# Altium PCB core_V1.0.PcbDoc (continued)
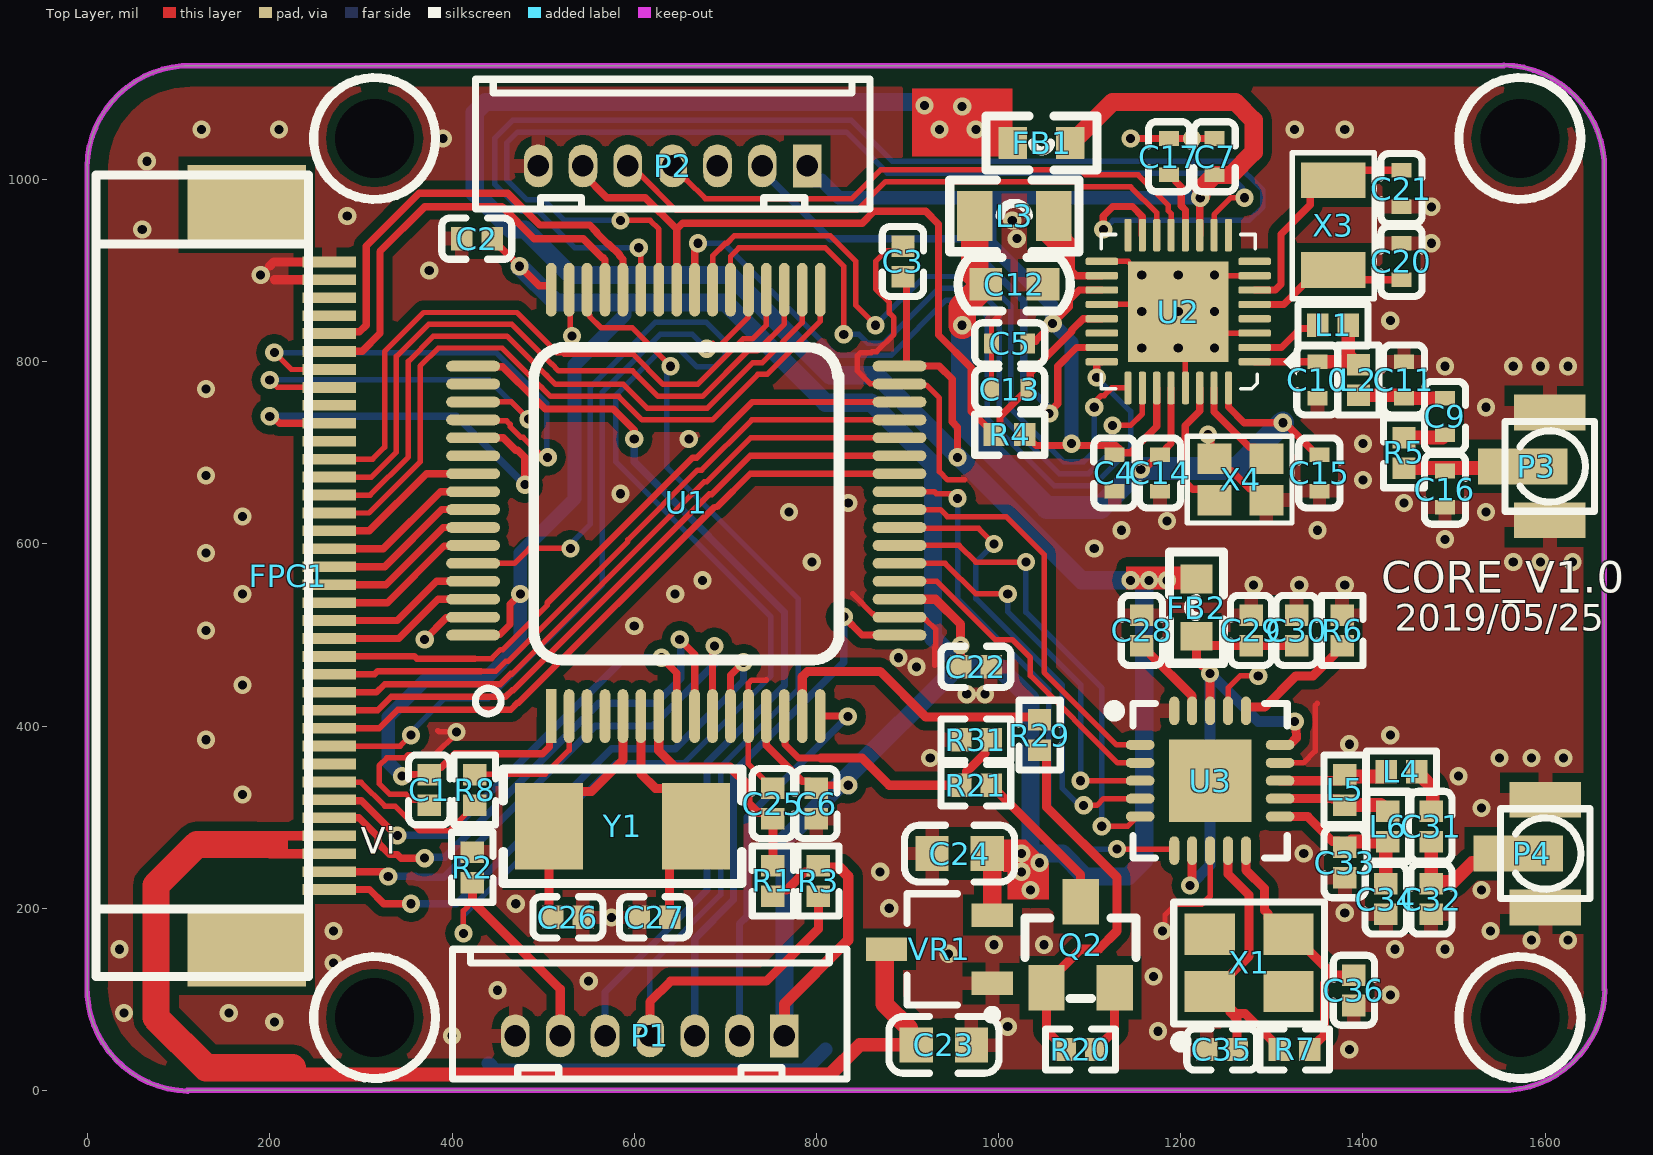
[diagram p0: Top Layer view]
## Part data (continued)
L3: library part Inductor_10uH_SL_0805, "贴片层叠电感", Manufacturer=Sunlord, Manufacturer Part Number=MPH201214S100MT, Part Number=NEW, LatestRevisionDate=09-Feb-2017, LatestRevisionNote="SCHlib build", Publisher=ChenYinaho
L4: library part "0402 3.9nH 3%", "贴片电感", Package=0402, SuppliersPartNumber=C14033, ComponentLink1Description=供应, ComponentLink1URL=http://www.szlcsc.com/product/details_14690.html, Supplier=LC
L5: library part "0402 8.2nH 5%", "贴片电感", Package=0402, SuppliersPartNumber=C16208, ComponentLink1Description=供应, ComponentLink1URL=http://www.szlcsc.com/product/details_16890.html, Supplier=LC
L6: library part "0402 2.7nH 0.3nH", "贴片电感", Package=0402, SuppliersPartNumber=C27123, ComponentLink1Description=供应, ComponentLink1URL=http://www.szlcsc.com/product/details_27872.html, Supplier=LC
P1 P2: library part CON7, "直插插座", Part Number=RP02.07.000049, LatestRevisionDate=09-Feb-2017, LatestRevisionNote="SCHlib build", Publisher=ChenYinaho
P3 P4: "贴片天线座", Part Number=RP02.07.000078, LatestRevisionDate=09-Feb-2017, LatestRevisionNote="SCHlib build", Publisher=ChenYinaho
Q2: library part P-MOS_BSS84, "P-MOSFET -50V,-0.13A,10Ω@-5V", Manufacturer=LRC(ÀÖÉ½ÎÞÏ, Part Number=NEW, LatestRevisionDate=09-Feb-2017, LatestRevisionNote="SCHlib build", Manufacturer Part Number=LBSS84LT1G, PackageDescription=SOT-23(SOT-23-3), Publisher=ChenYinaho
R1 R2 R3: library part "0402 10KΩ (1002) 1%", "贴片电阻", Package=0402, SuppliersPartNumber=C25744, ComponentLink1Description=供应, ComponentLink1URL=http://www.szlcsc.com/product/details_26487.html, Supplier=LC
R4: library part Res-0402_100k, "表贴电阻,0402,±1%,1/16W", Part Number=NEW, LatestRevisionDate=09-Feb-2017, LatestRevisionNote="SCHlib build", PackageDescription=0402R, Publisher=ChenYinaho
R5: library part Res-0402_0R, "表贴电阻,0402,±1%,1/16W", Part Number=NEW, LatestRevisionDate=09-Feb-2017, LatestRevisionNote="SCHlib build", PackageDescription=0402R, Publisher=ChenYinaho
R6: library part "0402 22KΩ (2202) 1%", "贴片电阻", Package=0402, SuppliersPartNumber=C25768, ComponentLink1Description=供应, ComponentLink1URL=http://www.szlcsc.com/product/details_26511.html, Supplier=LC
R7: library part "0402 1MΩ (1004) 1%", "贴片电阻", Package=0402, SuppliersPartNumber=C26083, ComponentLink1Description=供应, ComponentLink1URL=http://www.szlcsc.com/product/details_26826.html, Supplier=LC
R8 R29: library part Res-0402_1k, "表贴电阻,0402,±1%,1/16W", Part Number=RP02.03.000161, LatestRevisionDate=09-Feb-2017, LatestRevisionNote="SCHlib build", PackageDescription=0402R, Publisher=ChenYinaho
R20 R21: library part Res-0402_43k, "表贴电阻,0402,±1%,1/16W", Part Number=RP02.03.000166, LatestRevisionDate=09-Feb-2017, LatestRevisionNote="SCHlib build", PackageDescription=0402R, Publisher=ChenYinaho
R31: library part Res-0402_22k, "表贴电阻,0402,±1%,1/16W", Part Number=NEW, LatestRevisionDate=09-Feb-2017, LatestRevisionNote="SCHlib build", PackageDescription=0402R, Publisher=ChenYinaho
U1: library part STM32L152RCT, "MCU IC", Manufacturer=ST, Part Number=NEW, LatestRevisionDate=09-Feb-2017, LatestRevisionNote="SCHlib build", Manufacturer Part Number=STM32L152RCT6, Publisher=ChenYinaho
U2: "无线收发芯片", Manufacturer=TI, Part Number=NEW, LatestRevisionDate=09-Feb-2017, LatestRevisionNote="SCHlib build", Manufacturer Part Number=CC2640R2FRSM, PackageDescription=VQFN-32_4x4x04P, Publisher=ChenYinaho
VR1: library part "SOT-23 XC6206P332MR", "低压差线性稳压(LDO)", Package=SOT-23, SuppliersPartNumber=C5446, ComponentLink1Description=供应, ComponentLink1URL=http://www.szlcsc.com/product/details_5896.html, Supplier=LC
X1: library part "SMD-3225_4P  16MHZ 9PF 10PPM", "贴片晶振", Package=SMD-3225_4P, SuppliersPartNumber=C13738, ComponentLink1Description=供应商, ComponentLink1URL=http://www.szlcsc.com/product/details_14393.html, Supplier=LC
X3: library part XTAL-3215_2P_32k_9pF, "贴片无源晶体3215", Manufacturer=EPSON(°®ÆÕÉ, Manufacturer Part Number=FC-13532.768KHZ9PF20PPM, Part Number=NEW, LatestRevisionDate=09-Feb-2017, LatestRevisionNote="SCHlib build", Publisher=ChenYinaho
X4: library part XTAL-2016_4P_24M_8pF, "贴片无源晶体2016", Manufacturer=EPSON(°®ÆÕÉ, Manufacturer Part Number=Q22FA12800120, Part Number=NEW, LatestRevisionDate=09-Feb-2017, LatestRevisionNote="SCHlib build", Publisher=ChenYinaho
Y1: library part "SMD-5032_2P 8MHz 20ppm 20pF", "贴片晶振", Package=SMD-5032_2P, SuppliersPartNumber=C115962, ComponentLink1Description=供应, ComponentLink1URL=http://www.szlcsc.com/product/details_117214.html, Supplier=LC

## Free pads (board coordinates)
  round 0 hole 86.61 unplated: hole(315,80) hole(315,1045) hole(1572.2,80) hole(1572.2,1045)

## Via types
v1: diameter 20, hole 10, Top Layer to Bottom Layer, tented both sides, 168 vias
v2: diameter 20, hole 10, Top Layer to Bottom Layer, tented bottom, 9 vias

## Nets (pads, with @x,y where several pads share a name; then routed paths per layer and width w, separated by ;. In a path a pad name is that pad's centre, name@x,y a point inside that pad or via, vN(x,y) a via of type N, cw(c..) or ccw(c..) an arc to the next point about the centre after c; other vN are vias at no path point)
3V3: C1.1 C2.2 C3.2 C6.2 C22.1 C24.2 FB1.2 FB2.2 P1.1 R1.2 R3.1 U1.1 U1.13 U1.19 U1.32 U1.48 U1.64 VR1.2 | length 5468.7
  Top Layer w8: v1(345,345) 346.73,346.73 C1.1 382.81,354.54 388.2,354.54 403.2,369.54 499.27,369.54 506.95,377.23 506.95,409.05 U1.1 ; U1.64 423.89,500.59 452.74,500.59 463.69,511.54 463.69,533.69 v1(475,545) ; C2.2 443.94,934.02 451.75,926.2 452.73,926.2 495.64,883.3 507.09,883.3 508.85,881.54 U1.48 ; U1.13 745.07,379.02 784.56,339.54 792.19,339.54 C6.2 801.73,330 806.73,335 v1(835,335) ; U1.32 U1.32@897.24,795.14 ; C3.2 899,889.27 899,796.9 U1.32@897.24,795.14 ; v1(955,695) 955,728.12 949,734.12 949,781 934.86,795.14 U1.32@897.24,795.14
  Top Layer w10: R1.2 759.02,220.08 767.44,220.08 787.28,239.92 795.39,239.92 R3.1 ; U1.19 930.77,539.23 958.27,511.73 v1(958.27,488.37) C22.1
  Top Layer w12: P1.1 764.84,94.84 835,165 835,235 825.77,244.23 804.7,244.23 R3.1
  Top Layer w20: C24.2 993.07,254.45 VR1.2
  Bottom Layer w15: v1(345,345) 330,360 330,410 370,450 435,450 475,490 v1(475,545) 475,590 534.5,649.5 534.5,796.37 589.47,851.34 589.47,865
  Bottom Layer w20: v1(474.18,904.75) 513.94,865 589.47,865 700,865 810,755 860,755 928,687 928,497 957.5,467.5 v1@830,340 ; P1.1 764.84,274.84 v1@830,340 ; v1(835,335) v1@830,340 ; v1(918.75,1081.25) 915,1085 436.72,1085 425,1073.28 425,985 465,945 480,945 530,895 705,895 815,785 866.41,785 1091.41,560 v1(1145,560) v1(1165,560) ; 960,465 1000,465 1035,430 1035,260 ; v1(1025,260) 1035,260 ; v1(1185,560) v1(1165,560) ; 1035,260 1070,260 1095,235 1142,235 1160,253 1160,555 v1(1165,560)
  other v1: 1035,220 1025,240 1045,250 935,1055 975,1055 960,1080
5V: FPC1.7 R8.1 | length 194.3
  Top Layer w6: FPC1.7 265.83,338.09 300.24,338.09 326.33,312 337.52,312 364.52,285 396.73,285 415.2,303.47 415.2,304.46 424.02,313.27 R8.1
50ohm,RFI/O: C31.2 C32.2 P4.2 | length 155.8
  Top Layer w15: C31.2 C32.2 1477.35,229.08 1499.08,229.08 1520,250 1560.47,250 P4.2
BATT: FPC1.8
Battery: Q2.2 R20.2 | length 76.9
  Top Layer w10: R20.2 1106.73,45.98 1113.54,52.8 1114.53,52.8 1127.4,65.67 Q2.2
BATTERY_DECT: R21.1 R31.2 U1.14 | length 297.5
  Top Layer w8: U1.14 765.49,410.23 765.49,379.82 780.31,365 805,365
  Top Layer w10: 805,365 850,365 880,335 R21.1 965.08,341.81 965.08,349.92 984.92,369.77 984.92,378.19 R31.2@985.26,378.53
BLE_CMD: U1.40 U2.24 | length 886.8
  Top Layer w8: U1.40 666.33,926.33 v1(670,930) ; v1(1107.69,782.69) U2.24@1107.69,799.86 ; U2.24@1107.72,799.88 U2.24
  Bottom Layer w6: v1(670,930) 698.28,930 821.28,807 882,807 942.5,867.5 970.12,867.5 987.5,850.12 987.5,737.45 1060.95,664 1104.17,664 1145,704.83 1145,745.39 v1(1107.69,782.69)
BLE_MRDY: U1.39 U2.25 | length 808.4
  Top Layer w6: U1.39 686.02,916.02 700,930 701.62,930 709.62,938 815.38,938 843,910.38 843,862 v1(865,840) ; v1(1105,750) 1105,755 1112.69,762.69 1115.98,762.69 1124.43,771.14 U2.25
  Bottom Layer w6: v1(865,840) 918.5,893.5 980.89,893.5 1013.5,860.89 1013.5,748.22 1071.72,690 1093.41,690 1105,701.59 v1(1105,750)
BLE_RST: C13.1 P2.6 R4.1 U1.41 U2.21 | length 951.3
  Top Layer w8: P2.6 543.78,1006.22 570,980 612.21,980 646.65,945.55 ; U1.41 646.65,945.55 ; U2.21 1092.79,847.1 1080.37,834.68 1080.37,833.17 1034.69,787.49 1034.69,772.48 C13.1 1032.2,767 1028.2,763 1025.2,763 1001.63,739.42 1001.63,726.15 R4.1 995.47,720.98 987.66,728.8 986.68,728.8 970,745.47 970,793.23 934,829.23 934,951 920,965 863.18,965 850.18,952 653.1,952 646.65,945.55
BLE_RX: U1.42 U2.10 | length 1209.4
  Top Layer w6: v1(585,955) 617.41,955 626.96,945.45 U1.42 ; U2.10 1236.57,961.57 1255,980 v1(1270,980)
  Bottom Layer w6: v1(585,955) 523.38,955 500.38,978 482,978 460,1000 460,1040 472,1052 833,1052 878,1007 1251.38,1007 1267.32,991.06 1267.32,982.68 v1(1270,980)
BLE_SRDY: U1.38 U2.26 | length 826.7
  Top Layer w6: U1.38 705.7,915.7 715,925 810,925 830,905 v1(830,830) ; v1(1125,730) 1145,730 1157.83,742.83 U2.26
  Bottom Layer w6: v1(830,830) 846.72,830 856.72,820 873.76,820 934.26,880.5 960.15,880.5 975.51,880.5 1000.5,855.51 1000.5,840.15 1000.5,742.83 1066.33,677 1098.79,677 1125,703.21 v1(1125,730)
BLE_TX: U1.43 U2.15 | length 1453.4
  Top Layer w6: v1(605,925.04) 605,921.72 607.28,919.43 U1.43
  Top Layer w8: v1@1115,950 1115,960 1125,970 1125,970.31 1146.91,970.31 1157.81,959.42 U2.15
  Bottom Layer w6: v1(605,925.04) 534.96,925.04 495,965 476.62,965 447,994.62 447,1045.38 466.62,1065 838.38,1065 883.38,1020 1258.28,1020 1290,988.28 1290,970 1275,955 1125.51,955 1115.51,945 v1(1115,945)
BOOT0: P1.6 R2.2 U1.60 | length 1755.7
  Top Layer w6: v1(412.5,172.5) 412.5,197.13 422.69,207.31 ; U1.60 468.6,578.6 485,595 v1(530,595)
  Top Layer w10: R2.2 422.69,227.79 422.69,207.31 518.78,111.22 P1.6
  Bottom Layer w6: v1(412.5,172.5) 412.5,192.31 580.19,360 655,360 750,455 750,520 580,690 580,763.23 620,803.23 620,803.28 631.72,815 648.28,815 669.02,794.26 687.95,794.26 699.67,805.98 699.67,822.54 679.12,843.09 623.03,843.09 594,814.05 594,814 552,772 552,622 525,595 v1(530,595)
CE: U1.24 U3.1 | length 447
  Top Layer w6: U1.24 936.03,637.66 943.69,630 1008.28,630 1050,588.28 1050,458.87 1129.5,379.37 U3.1
COL0: FPC1.10 U1.26 | length 741.7
  Top Layer w7: FPC1.10 320.13,397.7 340.43,418 464.49,418 471.95,425.46 473.07,425.46 688.11,640.5 690.86,640.5 727.39,677.03 U1.26
COL1: FPC1.11 U1.27 | length 741.7
  Top Layer w7: FPC1.11 318.61,417.4 333.21,432 458.7,432 466.16,439.46 467.27,439.46 682.31,654.5 685.06,654.5 727.27,696.71 U1.27
COL2: FPC1.12 U1.28 | length 741.5
  Top Layer w6: 464.76,457.05 465.77,457.05 676.72,668 679.47,668 727.87,716.4 U1.28
  Top Layer w7: FPC1.12 317.1,437.1 326,446 452.9,446 464.35,457.45
COL3: FPC1.21 U1.55 | length 183.9
  Top Layer w8: FPC1.21 309.3,614.3 372.03,677.03 U1.55
COL4: FPC1.20 U1.56 | length 183.9
  Top Layer w8: FPC1.20 324.6,594.6 387.34,657.34 U1.56
COL5: FPC1.19 U1.57 | length 183.9
  Top Layer w8: FPC1.19 326.11,574.9 388.87,637.66 U1.57
COL6: FPC1.18 U1.58 | length 183.9
  Top Layer w8: FPC1.18 327.63,555.2 390.31,617.88 423.08,617.88 U1.58
COL7: FPC1.17 U1.59 | length 183.9
  Top Layer w8: FPC1.17 329.14,535.5 391.2,597.56 422.44,597.56 U1.59
COL8: FPC1.16 U1.61 | length 175.8
  Top Layer w8: FPC1.16 339.89,515.8 383.01,558.92 U1.61
COL9: FPC1.15 U1.62 | length 175.8
  Top Layer w8: FPC1.15 341.45,496.15 384.53,539.23 U1.62
COL10: FPC1.13 U1.29 | length 742.7
  Top Layer w6: 431.65,460 447.81,460 458.76,470.95 461.29,470.95 593,602.66 593,604.38 669.62,681 674.08,681 729.16,736.08 U1.29
  Top Layer w7: FPC1.13 315,456.8 318.2,460 431.65,460
COL11: FPC1.14 U1.30 | length 745.2
  Top Layer w6: 425.14,474 443.42,474 453.38,483.95 455.91,483.95 504.76,532.81 504.76,535.24
  Top Layer w7: FPC1.14 358.85,476.45 361.3,474 425.14,474 ; 504.76,535.24 664.03,694.5 668.49,694.5 729.76,755.77 U1.30
COL12: FPC1.22 U1.33 | length 787.9
  Top Layer w6: FPC1.22 308.9,633.9 365,690 365,795 385,815 455,815 498.1,771.9 498.41,771.9 508.31,762 582.8,762 608.8,736 685.73,736 735.73,786 746,786 804.13,844.13 U1.33
COL13: FPC1.23 U1.34 | length 760.8
  Top Layer w6: FPC1.23 310.22,653.6 352,695.38 352,800.38 379.62,828 460.38,828 503.48,784.9 503.8,784.9 513.7,775 588.18,775 614.18,749 680.35,749 730.35,799 740.62,799 784.44,842.83 U1.34
COL14: FPC1.24 U1.35 | length 733.7
  Top Layer w6: FPC1.24 311.53,673.3 339,700.77 339,805.77 374.23,841 465.77,841 508.87,797.9 509.18,797.9 517.08,790 598.33,790 626.33,762 674.96,762 724.96,812 735.23,812 764.76,841.53 U1.35
COL15: FPC1.25 U1.36 | length 706.6
  Top Layer w6: FPC1.25 312.85,693 326,706.15 326,811.15 368.85,854 471.15,854 515.15,810 521.72,810 523.46,808.26 598.46,808.26 631.72,775 669.58,775 719.58,825 729.85,825 745.07,840.23 U1.36
CSN: U1.20 U3.2 | length 358.1
  Top Layer w6: U1.20 932.29,558.92 996.21,495 1015,495 1035,475 1035,455.48 1130.8,359.69 U3.2
DCDC_SW: L3.2 U2.18 | length 103.8
  Top Layer w8: L3.2 1060.51,952.13 1080,932.64 1080,900 1085.63,894.37 U2.18
EN_BATTERY_DECT: R29.2 U1.15 | length 328.2
  Top Layer w10: U1.15 784.44,454.14 790.3,460 870,460 920,410 970,410 970.2,409.8 1041.94,409.8 R29.2
GND: C1.2 C2.1 C3.1 C4.2 C5.2 C6.1 C7.2 C10.1 C11.1 C12.1 C13.2 C14.2 C15.2 C16.1 C17.2 C20.1 C21.1 C22.2 C23.1 C24.1 C25.1 C26.1 C27.1 C28.2 C29.1 C30.1 C32.1 C33.1 C34.1 C35.1 C36.1 FPC1.35 FPC1.36 P1.7 P2.7 P3.1 P3.3 P4.1 P4.3 R2.1 R6.2 R31.1 U1.12 U1.18 U1.31 U1.47 U1.63 U2.3 U2.7 U2.17 U2.20 U2.29 U2.33 U3.8 U3.14 U3.17 U3.20 VR1.1 X4.2 X4.4 | length 2556.6
  Top Layer w6: C1.2 369.99,318.28 356.72,318.28 350,325 331.72,325 320,336.72 320,356.49 328.51,365 348.38,365 351.93,368.54 381.43,368.54 405,392.11 v1@405,395 ; 384.52,395 385.96,393.56 v1(405,393.56) ; U1.47 529.66,877.93 529.66,830.34 v1(531.74,828.26) ; 745.07,450.8 744.76,450.49 728.91,450.49 725.39,446.97 U1.12 725.39,358.54 742.41,341.53 742.41,340.54 751.22,331.73 C25.1 ; 840,545 851.72,533.28 851.72,532.64 861.03,523.32 862.28,523.32 866.05,519.55 U1.18 916.44,519.55 919.34,516.64 920.58,516.64 930.77,506.45 930.77,486.97 930,486.2 930,466.72 ; C3.1 889.99,921.72 876.72,921.72 865,910 865,880 880,865 880,853.28 885,848.28 885,830 866.05,811.05 861.03,811.05 859.99,810 848.51,810 845,806.49 845,790 859.05,775.95 890.74,775.95 U1.31 892.36,774.34 920.66,774.34 935,760 935,679.39 944.05,670.34 962.73,670.34 ; C13.2 C5.2 992.2,842.2 1000,850 ; U2.20 U2.33@1189.33,862.87 ; U2.17 1142.09,910.12 v2(1157.2,895) U2.33@1189.33,862.87 ; v1(1180,175) 1182.68,177.68 1182.68,192.68 1194.13,204.13 1222.92,204.13 1232.2,213.42 U3.8 ; U2.29 U2.33@1205.08,847.13 ; U3.17 1251.89,441.89 1265,455 v1(1285,455) ; U2.3 1220.83,831.38 U2.33@1205.08,847.13 ; U2.7 1236.57,894.37 v2(1197.2,855) ; U3.14 1334.68,359.69 1347.41,372.41 1347.41,422.41 1350,425 ; U2.33@1189.33,862.87 v2(1197.2,855) ; v2(1197.2,855) U2.33@1205.08,847.13
  Top Layer w8: v1(370,495) 393.82,518.82 422.44,518.82 U1.63 ; v1(1145,1045) C17.2 C7.2 ; v1(1230,720) 1232.78,717.22 1232.78,697.5 X4.4 1249.83,680.44 1255.55,680.44 1275.36,660.63 1281.45,660.63 X4.2
  Top Layer w10: 200,905 204.5,909.5 FPC1.36 ; 205,890 205.1,889.9 FPC1.35
  Bottom Layer w15: 440,30 448.12,21.88 786.88,21.88 810,45
  other v1: 1385,45 400,60 1175,65 1010,70 205,75 40,85 155,85 1430,105 450,110 550,120 1170,125 270,140 945,150 35,155 1435,155 1490,155 995,160 1050,160 1585,165 1625,165 270,175 1540,175 575,190 1380,195 880,200 470,205 1530,220 870,240 1335,260 1530,310 170,325 1505,345 925,365 1550,365 1585,365 1620,365 1385,380 130,385 1430,390 965,435 985,435 170,445 910,465 890,475 130,505 600,510 170,545 645,545 1280,555 1330,555 1380,555 675,560 795,580 1565,580 1595,580 1630,580 130,590 1105,595 1490,605 1135,615 1350,615 1185,625 170,630 770,635 1535,635 835,645 1445,645 585,655 1400,670 130,675 1400,710 660,715 1535,750 130,770 1490,795 1565,795 1595,795 1625,795 1430,845 190,895 375,900 1475,930 1020,935 60,945 1015,955 285,960 1475,970 65,1020 390,1045 1212.2,1045 125,1055 210,1055 1325,1055 1380,1055
  other v2: 1157.2,815 1197.2,815 1237.2,815 1157.2,855 1237.2,855 1197.2,895 1237.2,895
IRQ: U1.25 U3.6 | length 607
  Top Layer w6: U1.25 929.38,657.34 931.72,655 955.32,655 v1@957.66,657.34 ; v1(1130,265) 1191.06,265 U3.6
  Bottom Layer w6: v1(955,650) 955,540 1055,440 1055,310 1100,265 v1(1130,265)
MISO: U1.22 U3.5 | length 517.5
  Top Layer w6: U1.22 956.71,598.29 975,580 v1(1030,580) ; v1(1113.28,290) 1141.69,290 1152.32,300.63 U3.5
  Bottom Layer w6: v1(1030,580) 1030,525 1113.41,441.59 1113.41,290.12 v1(1113.28,290)
MOSI: U1.23 U3.4 | length 523.3
  Top Layer w6: U1.23 892.21,617 978,617 v1(995,600) ; v1(1093.41,313) 1108,313 1115.31,320.31 U3.4
  Bottom Layer w6: v1(995,600) 975,580 975,540 1070,445 1070,331.72 1088.72,313 v1(1093.41,313)
NetC9_1: C9.1 R5.2 | length 42.5
  Top Layer w15: R5.2 C9.1@1487.47,716.73
NetC9_2: C9.2 C11.2 L2.1 | length 90.6
  Top Layer w15: L2.1 1438.73,763.27 1442,760 C11.2 C9.2@1484.2,760
NetC10_2: C10.2 L1.1 L2.2 U2.1 | length 152.4
  Top Layer w8: U2.1 C10.2@1344.32,799.88
  Top Layer w15: C10.2 L2.2@1390.75,800 ; L1.1 1383.94,806.81 L2.2@1390.75,800 ; L2.2 1391.73,800 L2.2@1390.75,800
NetC16_2: C16.2 P3.2 R5.1 | length 131.2
  Top Layer w15: R5.1 1573.74,683.27 P3.2
NetC17_1: C17.1 U2.12 | length 75.3
  Top Layer w8: C17.1 1190.2,1005 1194.2,1001 1194.2,998 1200.37,991.83 1200.37,971.3 1205.08,966.59 U2.12
NetC20_2: C20.2 U2.5 X3.2 | length 181.3
  Top Layer w8: U2.5 1312.87,862.87 1335.1,885.1 1351.52,885.1 X3.2 1377.99,890 C20.2
NetC21_2: C21.2 U2.6 X3.1 | length 254.4
  Top Layer w8: U2.6 1303.62,878.62 1310,885 1310,940 1342.21,972.21 1342.21,983.53 1357.9,999.21 X3.1 1377.99,1010 C21.2
NetC28_1: C28.1 U3.19 | length 95
  Top Layer w10: C28.1 1158.19,488.27 1165,481.46 1165,480.47 1212.32,433.15 1212.32,416.97 U3.19
NetC31_1: C31.1 L4.2 | length 51.4
  Top Layer w15: L4.2 1458.94,349.02 1463.25,344.7 1464.23,344.7 1476.68,332.26 1476.68,307.26 C31.1@1477.2,306.73
NetC33_2: C33.2 C34.2 L6.2 U3.11 | length 182.4
  Top Layer w10: U3.11 1339.37,300.63 1366.46,273.54 1373.19,273.54 C33.2
  Top Layer w15: C33.2 1380.98,266.73 1387.52,273.27 L6.2 1425,271.06 C34.2
NetC35_2: C35.2 R7.1 U3.9 X1.1 | length 342.8
  Top Layer w10: X1.1@1228.27,105.08 X1.1 ; U3.9 1251.89,237.56 1275,214.45 1275,147.64 1254.25,126.89 1254.25,126.14 1236.61,108.5 X1.1 ; C35.2 1261.73,78.46 1254.25,85.94 X1.1@1254.25,90.87 ; R7.1 1301.46,51.81 1301.46,53.54 1270.33,84.67 1260.45,84.67 X1.1@1254.25,90.87 ; X1.1 1249.33,90.87 X1.1@1254.25,90.87
NetC36_2: C36.2 R7.2 U3.10 X1.3 | length 297.5
  Top Layer w10: U3.10 1271.57,241.92 1292,221.49 1292,197.8 1295.75,194.06 1295.75,189.13 1313.39,171.5 X1.3 1323.23,171.5 1340.87,153.86 1340.87,153.11 1367.25,126.73 ; R7.2 1341.73,45.98 1348.54,52.8 1349.53,52.8 1357.87,61.13 1357.87,117.35 1367.25,126.73 ; C36.2 1367.25,126.73
NetL1_2: L1.2 U2.2 | length 79.5
  Top Layer w8: U2.2 1310.63,815.63 1331.35,836.35 1346.82,836.35 L1.2
NetL4_1: L4.1 L5.1 U3.13 | length 121.2
  Top Layer w10: U3.13 1375.47,340 L5.1@1380.18,344.7
  Top Layer w15: L5.1@1380.18,344.7 1421.16,344.7 1425.47,349.02 L4.1
NetL5_2: L5.2 L6.1 U3.12 | length 135.1
  Top Layer w10: U3.12@1320.13,320.51 1309.17,320.51 U3.12 1366.35,320.31 1366.58,320.08 1373.19,320.08 L5.2
  Top Layer w15: L5.2 1419.68,313.27 1426.22,306.73 L6.1
NetP2_4: P2.4 U2.13 | length 622.9
  Top Layer w6: P2.4 642.2,1014.03 656.67,999.56 657.64,999.56 678.2,979 839,979 870.56,1010.56 1089.72,1010.56 1095.28,1005 1153.07,1005 1186.37,971.7 1186.37,965.5 1189.33,962.54 U2.13
NetP2_5: P2.5 U2.14 | length 657.4
  Top Layer w6: P2.5 592.99,1007.01 605,1007.01 646.01,966 844.38,966 875.94,997.56 1084.34,997.56 1089.9,992 1145.03,992 1173.38,963.65 1173.38,939.06 U2.14
NetQ2_1: Q2.1 R20.1 R29.1 | length 417.1
  Top Layer w10: R29.1 1045.98,373.27 1052.8,366.46 1052.8,311.09 1130,233.89 1130,175 1110,155 1090,155 1067.76,132.76 1067.6,132.76 1052.6,117.76 Q2.1 1052.6,65.67 1065.47,52.8 1066.46,52.8 1073.27,45.98 R20.1
NetQ2_3: Q2.3 R21.2 | length 168.5
  Top Layer w10: R21.2 1090,236.73 Q2.3
NetR6_1: R6.1 U3.16 | length 138.6
  Top Layer w10: U3.16 1271.57,420.4 1272.05,420.87 1292.09,420.87 1326.21,455 1345,455 1369.41,479.41 1369.41,481.46 1376.22,488.27 R6.1
NetR8_2: R8.2 U1.2 | length 152.4
  Top Layer w6: R8.2 425,347.24 502.24,347.24 528.54,373.54 U1.2
NetU2_30: U2.30 X4.1 | length 150.3
  Top Layer w8: U2.30 1220.83,745.83 1204.89,729.89 1204.89,667.9 1212.8,660 1225,660 X4.1
NetU2_31: U2.31 X4.3 | length 105.4
  Top Layer w8: U2.31 1236.57,744.69 1275.36,705.91 1281.45,705.91 X4.3
NRF_SCK: U1.21 U3.3 | length 446.2
  Top Layer w6: U1.21 941.4,578.6 975,545 v1(1010,545) ; 1100,340 v1(1090,340) U3.3
  Bottom Layer w6: v1(1010,545) 1010,525.61 1090,445.61 v1(1090,340)
NRST: C25.2 R1.1 U1.7 | length 257.4
  Top Layer w10: U1.7 626.96,373.04 645,355 705,355 725,335 725,315 734.92,305.08 745.39,305.08 C25.2 R1.1
PC0: FPC1.6 U1.8 | length 532.6
  Top Layer w8: FPC1.6 266.27,317.95 300.58,317.95 338.53,280 v1(340,280) ; v1(630,475) 646.65,458.35 U1.8
  Bottom Layer w8: v1(340,280) 394.8,280 585.8,471 593.77,471 597.77,475 v1(630,475)
PC1: FPC1.5 U1.9 | length 623.9
  Top Layer w8: FPC1.5 298.02,299.3 319,278.32 319,271.3 331.3,259 340,259 344,255 v1(370,255) ; v1(650,495) 666.33,478.67 U1.9
  Bottom Layer w8: v1(370,255) 370.99,255.99 392,255.99 561.01,425 623.79,425 651,452.21 651,494 v1(650,495)
PC2: FPC1.2 U1.10 | length 615.9
  Top Layer w8: FPC1.2 324.8,240.2 v1@325,240 ; U1.10 686.02,486.02 v1(688.01,488.01) v1@690,490
  Bottom Layer w8: v1(330,235) 360.3,235 361.3,234 391.23,234 557.23,400 620,400 688.01,468.01 v1(688.01,488.01)
PC3: FPC1.1 U1.11 | length 647.7
  Top Layer w8: FPC1.1 309.45,220.55 325,205 v1(355,205) ; U1.11 705.7,455.7 v1(720,470)
  Bottom Layer w8: v1(355,205) 405,205 575,375 645,375 720,450 v1(720,470)
PC6: FPC1.9 U1.37 | length 828.4
  Top Layer w6: FPC1.9 343,378 v1(355,390) ; v1(679.67,814.26) 680.45,814.26 686.19,820 691.19,815 725.39,849.2 U1.37
  Bottom Layer w6: v1(355,390) 355,393.28 391.72,430 440,430 565,555 565,766.62 607,808.62 607,808.67 628.42,830.09 663.84,830.09 v1(679.67,814.26)
PC10: FPC1.29 U1.51 | length 439
  Top Layer w6: v1(200,780) 208.3,771.7 FPC1.29 ; U1.51 465.05,755.77 v1(483.91,736.9)
  Bottom Layer w6: v1(200,780) 440.82,780 v1(483.91,736.9)
PC11: FPC1.30 U1.52 | length 541.5
  Top Layer w6: v1(205,810) 223.6,791.4 FPC1.30 ; U1.52 424.24,735 460,735 463.91,731.09 463.91,728.62 475.63,716.9 478.1,716.9 v1@497.5,697.5
  Bottom Layer w6: v1(205,810) 448.38,810 503.91,754.47 503.91,696.09 v1(505,695)
RGB_CTL: FPC1.27 U1.53 | length 475.1
  Top Layer w8: v1(200,740) 203.09,740 210.69,732.4 FPC1.27 ; U1.53 456.33,716.4 469.83,702.9 472.1,702.9 480,695 v1(480,665)
  Bottom Layer w8: v1(200,740) 405,740 v1(480,665)
SWCLK: P1.5 U1.49 | length 1020.8
  Top Layer w8: U1.49 423.79,794.52 455.48,794.52 492.1,757.9 492.61,757.9 502.51,748 577,748 600,725 v1(600,715)
  Bottom Layer w8: P1.5 567.99,107.99 680,220 680,359.8 765,444.8 765,525 600,690 v1(600,715)
SWDIO: P1.4 R3.2 U1.46 | length 1300.4
  Top Layer w6: U1.46 548.22,853.85 551.13,850.94 551.13,849.71 563.84,837 598,837 v1(640,795)
  Top Layer w10: P1.4 617.2,97.2 640,120 745,120 802.2,177.2 R3.2
  Bottom Layer w6: P1.4 617.2,137.2 695,215 695,355 780,440 780,540 635.91,684.09 v1@635.91,796.59 ; v1(640,795) v1@640,798.18
TX_DIO6: P2.2 U2.23 | length 599.8
  Top Layer w8: v1(1055.5,743) 1055.5,744.19 1065,753.69 1065,795 1085.63,815.63 U2.23
  Bottom Layer w8: P2.2 740.63,1009.29 814.92,935 959.19,935 1027.5,866.69 1027.5,851.34 1027.5,777.5 1053.2,751.8 1053.2,745.3 v1(1055.5,743)
USART2_RX: P1.3 U1.17 | length 597.3
  Top Layer w8: v1(830,520) 850.14,499.86 U1.17
  Bottom Layer w8: P1.3 666.42,166.62 709,209.2 709,349.2 830,470.2 v1(830,520)
USART2_TX: P1.2 U1.16 | length 431
  Top Layer w8: U1.16 834.04,410.96 v1(834.52,410.48) v1@835,410
  Bottom Layer w8: P1.2 715.63,182.91 724,191.28 724,299.96 v1(834.52,410.48)
USB_DM: FPC1.32 U1.44 | length 489.6
  Top Layer w8: FPC1.32 267.13,832.7 298.52,832.7 305.85,840.04 305.85,927.07 363.79,985 461.21,985 496.21,950 551.21,950 559,942.21 559,941.3 571.3,929 572.21,929 584,917.21 584,916.34 587.59,912.74 U1.44@587.59,891.37
USB_DP: FPC1.31 U1.45 | length 478.3
  Top Layer w8: FPC1.31 265.49,811.36 301.36,811.36 320.85,830.85 320.85,920.85 370,970 455,970 490,935 544.09,935 565.09,914 566,914 567.91,912.09 U1.45
VCC_RF: C29.2 C30.2 FB2.1 U3.7 U3.15 U3.18 | length 629.2
  Top Layer w10: v1(1210,225) 1210,227.71 1212.52,230.23 U3.7 ; U3.18 v1(1232.2,457.8) 1217.2,472.8 FB2.1 1227.44,488.27 C29.2 C30.2 ; U3.15 U3.15@1319.34,379.37 ; U3.15@1319.97,380 1327,387.03 v1@1326.53,397.81
  Bottom Layer w12: v1(1210,225) 1232.2,247.2 v1(1232.2,457.8) 1285,405 v1(1325,405)
VDDR: C12.2 C14.1 C15.1 L3.1 U2.28 U2.32 | length 910.4
  Top Layer w8: v1@1163.11,685.2 1170.1,692.18 1170.1,693.9 1174.1,697.9 C14.1 1180.1,697.9 1184.1,701.9 1184.1,704.9 1189.31,710.11 U2.28 ; U2.32 1252.32,750.16 1269.47,733.01 v1(1311.99,733.01) 1313.99,733.01 1349.1,697.9 C15.1
  Top Layer w30: v1(960,840) 960,859.49 985.51,885 C12.2 ; L3.1 973.9,896.81 982.8,887.91 C12.2@982.8,887.72
  Bottom Layer w25: v1(960,840) 960,733.13 1053.13,640 1111.99,640 1154.77,682.78 1261.76,682.78 v1(1311.99,733.01)
  other v1: 1156.07,681.73
VDDS: C4.1 C5.1 C7.1 FB1.1 P2.1 R4.2 U2.11 U2.19 U2.27 | length 1502.1
  Top Layer w8: R4.2 1028.94,719.02 1036.75,711.2 1037.73,711.2 1041.04,707.9 1128.98,707.9 C4.1@1133.04,703.84 ; C5.1 1034.72,822.52 1041.12,822.52 1041.12,823.62 v1(1059.37,841.87) 1077.61,860.11 1077.61,867.61 1088.62,878.62 U2.19 ; v1@1080,707.9 1115.41,707.9 ; C4.1 1129.36,700.16 1144.81,700.16 1173.58,728.94 U2.27 ; U2.11 v1@1220.83,978.09
  Top Layer w20: FB1.1 1078.7,1041.97 1084.45,1047.72 1087.72,1047.72 1125,1085 1260,1085 1280,1065 1280,1030 1255,1005 C7.1 1222.74,990.54 v1@1222.74,982.31
  Bottom Layer w15: P2.1 789.84,1007.13 798.09,998.88 805.96,998.88 824.84,980 850,980 990,980 ; v1(1080,710) 1080,821.23 v1(1059.37,841.87) 1058.41,842.82 1058.41,861.94 990,930.35 990,980 ; v1(1221.37,980) 990,980
Vin: C23.2 FPC1.3 FPC1.4 VR1.3 | length 1445
  Top Layer w10: 185,280 185.4,279.6 FPC1.4 ; 195,265 200.1,259.9 FPC1.3
  Top Layer w15: 197.5,17.5 815,17.5 847.5,50 C23.2
  Top Layer w20: VR1.3 875,153.07 875,95 901.38,68.62 901.38,58.31 C23.2
  Top Layer w30: 185,270 120,270 75,225 75,80 130,25 225,25
XH_1: C26.2 U1.5 Y1.1 | length 264.5
  Top Layer w10: C26.2 506.5,193.98 Y1.1 506.5,295.64 538.9,328.04 553.04,328.04 587.59,362.59 U1.5
XH_2: C27.2 U1.6 Y1.2 | length 265.1
  Top Layer w10: U1.6 607.28,347.72 623.53,331.47 635.51,331.47 667.91,299.07 Y1.2 638.94,261.02 C27.2
pads on no net: FPC1.26 FPC1.28 FPC1.33 FPC1.34 FPC1.37 FPC1.38 P2.3 U1.3 U1.4 U1.50 U1.54 U2.4 U2.8 U2.9 U2.16 U2.22 U3.0 X1.2 X1.4

## Polygon pours and split planes (outlines as drawn)
GND on Top Layer "GND_L01_P000" (solid, remove dead copper, pour order 0): -92.68,1199.8 1607.32,1199.8 1712.32,1094.8 1712.32,-5.2 1662.32,-55.2 -107.68,-55.2 -137.68,-25.2
GND on Bottom Layer "GND_L02_P002" (solid, remove dead copper, pour order 2): -90,1185 1610,1185 1715,1080 1715,-20 1665,-70 -105,-70 -135,-40

## Keep-outs
Keep-Out Layer:
  lines w6: -0.68,1014.35 cw(c112.49,1011.84) 115,1125 1554.35,1125 ; -0.66,1014.35 -0.66,115.01 ccw(c112.5,112.5) 109.99,-0.66 ; 109.32,0 1550,0 ccw(c1552.51,113.16) 1665.68,110.65 ; 1554.35,1125.68 cw(c1551.84,1012.51) 1665,1010 1665,110.65

## Other copper
Top Layer:
  rectangle net 3V3: 905,1025 1015,1100
  rectangle net Vin: 175,255 220,285
  rectangle net 3V3: 1140,550 1215,575
  pour cut-out: 220.22,911.6 262.95,911.6 270.45,904.1 270.45,888.11 221.33,888.11 220.22,887
  pour cut-out: 455,350 720,350 720,220 455,220
  region net 3V3: 995,275 1030,275 1055,250 1055,210 1010,210 1010,240 1005,240
  region net DCDC_SW: 1045,940 1045,935 1070,910 1080,900 1080,940
Bottom Layer:
  rectangle net 3V3: 1010,220 1045,265
  rectangle net 3V3: 905,1045 1000,1100
  pour cut-out: 460,350 724,350 724,220 455,220

## Silkscreen, mask and mechanical layers (free items; w line width, h text height)
Top Overlay:
  circle w10: c1572.2,80 r66.93
  circle w10: c1572.2,1045 r66.93
  circle w10: c315,80 r66.93
  circle w10: c315,1045 r66.93
  text "CORE_V1.0" at 1420,535 h60
  text "2019/05/25" at 1435,495 h50
  text "Vi" at 300,250 h50
Bottom Solder:
  text "CYH" at 855,885 h40
Mechanical 1:
  lines w6: -0.68,1014.35 cw(c112.49,1011.84) 115,1125 1554.35,1125 ; -0.66,1014.35 -0.66,115.01 ccw(c112.5,112.5) 109.99,-0.66 ; 109.32,0 1550,0 ccw(c1552.51,113.16) 1665.68,110.65 ; 1554.35,1125.68 cw(c1551.84,1012.51) 1665,1010 1665,110.65